# Altium PCB H204_without WiFi.PcbDoc (part 1 of 3) (continued)
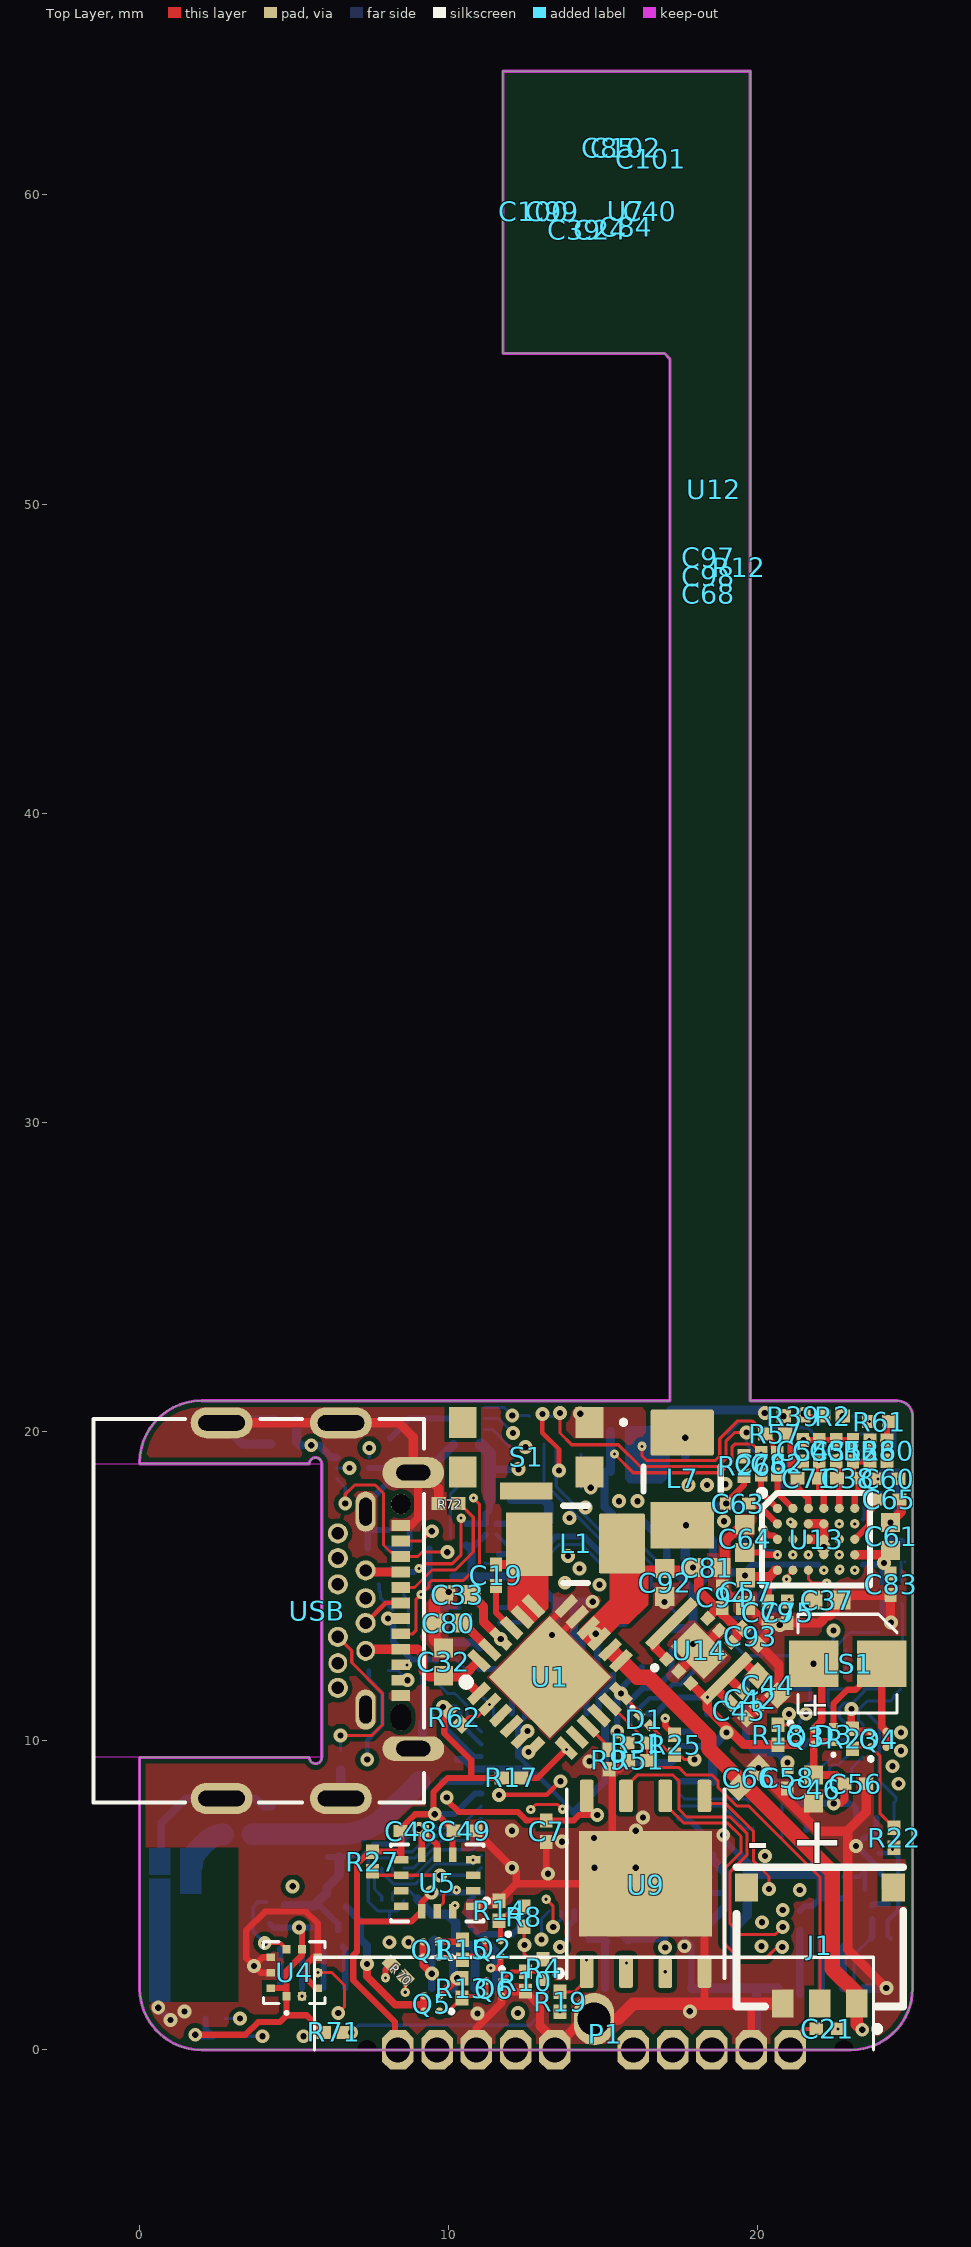
[diagram p0: Top Layer view]
## Part data (continued)
C20: library part C0201-0.7p, "Multilayer Ceramic Capacitors MLCC - SMD/SMT 0201 0.7pF 25volts C0G +/-0.1pF", Case/Package=0201, Case Code (Metric)=0603, Dielectric=C0G, Manufacturer=Murata, Manufacturer Part Number=GRM0335C1ER70BA01D, Max Operating Temperature=125°C, Min Operating Temperature=-55°C, Package Quantity=15000, Supplier Part Number 1=490-11307-1-ND, Voltage Rating=25V, Capacitance=0.7pF, Case Code (Imperial)=0201, Category="Ceramic Capacitors", Component Class=Capacitors, ComponentLink1Description=https://datasheet.ciiva.com/29538/partnumbering-e-01-29538603.pdf?src-supplier=Digi-Key, ComponentLink1URL=https://datasheet.ciiva.com/29538/partnumbering-e-01-29538603.pdf?src-supplier=Digi-Key, Footprint Doc=0201, Height=0.3mm, Length=0.024inch, Mount="Surface Mount", Packaging="Tape and Reel", Pad Count=2, Part Number=C0201-0.7p, Pricing 1="1=0,10000, 10=0,02000, 50=0,01100, 100=0,00900, 500=0,00644, 1000=0,00506, 2500=0,00460, 5000=0,00423 (USD)", RoHS=Yes, RoHS Compliant=Yes, Series=GRM, Stock 1=47212, Supplier 1=Digi-Key, Termination=SMD/SMT, Thickness=0.013inch, Voltage Rating (DC)=25V, Width=0.012inch
C24 C37 C39 C40 C45 C57 C61 C67 C80 C81 C86 C87 C92 C106: library part C0603-4µ7, "CAP CER 10UF 10V X5R 0402", Case/Package=0402, Case Code (Metric)=1005, Manufacturer=Samsung, Manufacturer Part Number=CL05A106MP8NUB8, Max Operating Temperature=85°C, Min Operating Temperature=-55°C, Supplier Part Number 1=1276-6830-2-ND, Tolerance=20%, Voltage Rating=10V, Capacitance=10uF, Case Code (Imperial)=0402, Category="Ceramic Capacitors", ComponentLink1Description=http://www.samsungsem.com/kr/support/product-search/mlcc/CL05A106MP8NUB8.jsp?src-supplier=Digi-Key, ComponentLink1URL=http://www.samsungsem.com/kr/support/product-search/mlcc/CL05A106MP8NUB8.jsp?src-supplier=Digi-Key, Length=0.039inch, Mount="Surface Mount", Packaging="Tape and Reel", Pricing 1="8000=0,08247 (USD)", RoHS=Yes, RoHS Compliant=Yes, Stock 1=5635891, Supplier 1=Digi-Key, Thickness=0.035inch, Width=0.02inch
C26: library part C0402-1.5p, "Capacitor, NP0, ±0.1pF"
C32 C44 C46 C66: library part C0603-4µ7, "CAP CER 22UF 6.3V X5R 0402", Case/Package=0402, Case Code (Metric)=1005, Manufacturer=Samsung, Manufacturer Part Number=CL05A226MQ5QUNC, Max Operating Temperature=85°C, Min Operating Temperature=-55°C, Supplier Part Number 1=1276-6834-1-ND, Tolerance=20%, Voltage Rating=6.3V, Capacitance=22uF, Case Code (Imperial)=0402, Category="Ceramic Capacitors", ComponentLink1Description=http://www.samsungsem.com/kr/support/product-search/mlcc/__icsFiles/afieldfile/2018/08/20/Data%20sheet_CL05A226MQ5QUNC.pdf?src-supplier=Digi-Key, ComponentLink1URL=http://www.samsungsem.com/kr/support/product-search/mlcc/__icsFiles/afieldfile/2018/08/20/Data%20sheet_CL05A226MQ5QUNC.pdf?src-supplier=Digi-Key, Length=0.039inch, Mount="Surface Mount", Packaging="Tape and Reel", Pricing 1="1=0,60000, 10=0,42200, 50=0,31940, 100=0,27820, 500=0,20608, 1000=0,17517, 2500=0,16486, 5000=0,15456 (USD)", RoHS=Yes, RoHS Compliant=Yes, Stock 1=587155, Supplier 1=Digi-Key, Thickness=0.022inch, Width=0.02inch
C34 C42 C65 C93 C95 C97 C99 C101: library part C0402-100n, "Cap Ceramic 0.001uF 25V X7R 10% SMD 0201 125C Paper T/R", Case/Package=0201, Case Code (Metric)=0603, Dielectric=X7R, Manufacturer=Samsung, Manufacturer Part Number=CL03B102KA3NNNC, Max Operating Temperature=125°C, Min Operating Temperature=-55°C, Package Quantity=1, Supplier Part Number 1=1276-1341-1-ND, Tolerance=10%, Voltage Rating=25V, Capacitance=1nF, Case Code (Imperial)=0201, Category="Ceramic Capacitors", ComponentLink1Description=https://datasheet.ciiva.com/25788/cl03b102ka3nnnc-25788656.pdf?src-supplier=Digi-Key, ComponentLink1URL=https://datasheet.ciiva.com/25788/cl03b102ka3nnnc-25788656.pdf?src-supplier=Digi-Key, ComponentLink2Description=https://datasheet.ciiva.com/26838/getdatasheetpartid-355161-26838110.pdf?src-supplier=Verical, ComponentLink2URL=https://datasheet.ciiva.com/26838/getdatasheetpartid-355161-26838110.pdf?src-supplier=Verical, Construction=Flat, Contact Plating=Tin, Depth=0.3mm, Height=0.3mm, Length=0.6mm, Mount="Surface Mount", Packaging="Tape and Reel", Pricing 1="1=0,13000, 10=0,08900, 50=0,05080, 100=0,04200, 500=0,02946, 1000=0,02439, 2500=0,02270, 5000=0,02077 (USD)", Radiation Hardening=No, RoHS=Yes, RoHS Compliant=Yes, Series=CL, Stock 1=1034478, Supplier 1=Digi-Key, Thickness=0.013inch, Width=0.012inch
C38 C71: library part C0402-100n, "Cap Ceramic Monolithic 47pF 50VDC 1% SMD Paper T/R", Manufacturer=Murata, Manufacturer Part Number=GRM0335C1H470FA01D, Supplier Part Number 1=490-GRM0335C1H470FA01DCT-ND, Category="Ceramic Capacitors", Pricing 1="1=0,10000, 10=0,02200, 50=0,01180, 100=0,00960, 500=0,00688, 1000=0,00541, 2500=0,00492, 5000=0,00452 (USD)", RoHS=Yes, RoHS Compliant=Yes, Stock 1=73266, Supplier 1=Digi-Key
C43 C74 C94 C96 C98 C100 C102: library part C0402-100n, "CAP CER 100PF 50V C0G 0201", Case/Package=0201, Case Code (Metric)=0603, Dielectric=C0G, Dielectric Material=Ceramic, Insulation Resistance=10GR, Manufacturer=TDK, Manufacturer Part Number=C0603C0G1H101J030BA, Max Operating Temperature=125°C, Min Operating Temperature=-55°C, Package Quantity=1, Supplier Part Number 1=445-1786-1-ND, Tolerance=5%, VOLTAGE=50V, Capacitance=100pF, Case Code (Imperial)=0201, Category="Ceramic Capacitors", ComponentLink1Description=https://datasheet.ciiva.com/24217/c0603c0g1h101j030ba-264106-24217425.pdf?src-supplier=Mouser, ComponentLink1URL=https://datasheet.ciiva.com/24217/c0603c0g1h101j030ba-264106-24217425.pdf?src-supplier=Mouser, ComponentLink2Description=https://datasheet.ciiva.com/16205/mlcc-commercial-general-en-16205590.pdf?src-supplier=Future+Electronics, ComponentLink2URL=https://datasheet.ciiva.com/16205/mlcc-commercial-general-en-16205590.pdf?src-supplier=Future+Electronics, ComponentLink3Description=https://datasheet.ciiva.com/6250/tdkmlcccaprange-6250351.pdf?src-supplier=Digi-Key, ComponentLink3URL=https://datasheet.ciiva.com/6250/tdkmlcccaprange-6250351.pdf?src-supplier=Digi-Key, Construction=Flat, Depth=0.3mm, Height=0.3mm, Lead Free="Lead Free", Length=0.6mm, Mount="Surface Mount", Number of Pins=2, Packaging="Tape and Reel", Pricing 1="1=0,10000, 10=0,06800, 50=0,03720, 100=0,03040, 500=0,02174, 1000=0,01708, 2500=0,01552, 5000=0,01428 (USD)", REACH SVHC=Unknown, RoHS=Yes, RoHS Compliant=Yes, Series=C, Stock 1=312493, Supplier 1=Digi-Key, Termination=SMD/SMT, Thickness=0.013inch, Voltage Rating=50V, Voltage Rating (DC)=50V, Weight=6E-06oz, Width=0.012inch
C51 C52 C53 C54: library part C0402-100n, "MURATA - GRM0335C1H100JA01D - SMD Multilayer Ceramic Capacitor, 10 pF, 50 V, 0201 [0603 Metric], ± 5%, C0G / NP0, GRM Series", Case/Package=0201, Case Code (Metric)=0603, Dielectric=C0G, Manufacturer=Murata, Manufacturer Part Number=GRM0335C1H100JA01D, Max Operating Temperature=125°C, Min Operating Temperature=-55°C, Package Quantity=15000, Supplier Part Number 1=490-6112-1-ND, Tolerance=5%, VOLTAGE=50V, Capacitance=10pF, Case Code (Imperial)=0201, Category="Ceramic Capacitors", ComponentLink1Description=https://datasheet.ciiva.com/6271/partnumbering-e-01-6271173.pdf?src-supplier=Digi-Key, ComponentLink1URL=https://datasheet.ciiva.com/6271/partnumbering-e-01-6271173.pdf?src-supplier=Digi-Key, ComponentLink2Description=https://datasheet.ciiva.com/6271/partnumbering-e-01-6271176.pdf?src-supplier=Digi-Key, ComponentLink2URL=https://datasheet.ciiva.com/6271/partnumbering-e-01-6271176.pdf?src-supplier=Digi-Key, ComponentLink3Description=https://datasheet.ciiva.com/6271/partnumbering-e-01-6271177.pdf?src-supplier=Digi-Key, ComponentLink3URL=https://datasheet.ciiva.com/6271/partnumbering-e-01-6271177.pdf?src-supplier=Digi-Key, Depth=0.3mm, Height=0.3mm, Lead Free="Lead Free", Length=0.6mm, Mount="Surface Mount", Packaging="Tape and Reel", Pricing 1="1=0,10000, 10=0,01100, 50=0,00620, 100=0,00510, 500=0,00362, 1000=0,00285, 2500=0,00259, 5000=0,00238 (USD)", REACH SVHC="No SVHC", RoHS=Yes, RoHS Compliant=Yes, Series=GRM, Stock 1=536566, Supplier 1=Digi-Key, Termination=SMD/SMT, Thickness=0.013inch, Voltage Rating=50V, Voltage Rating (DC)=50V, Width=0.3mm
C64: library part C0603-4µ7, "Cap Ceramic Monolithic 15uF 6.3VDC 20% SMD Paper T/R", Manufacturer=Murata, Manufacturer Part Number=GRM155R60J156ME05D, Supplier Part Number 1=490-18659-1-ND, Category="Ceramic Capacitors", Pricing 1="1=0,28000, 10=0,19500, 50=0,13020, 100=0,11070, 500=0,07810, 1000=0,06834, 2500=0,06509, 5000=0,06021 (USD)", RoHS=Yes, RoHS Compliant=Yes, Stock 1=130616, Supplier 1=Digi-Key
C72 C73: library part C0603-1µ0, "Cap Ceramic 1uF 16V X5R 20% Pad SMD 0201 85C T/R", Case/Package=0201, Case Code (Metric)=0603, Manufacturer=Samsung, Manufacturer Part Number=CL03A105MO3NRNH, Max Operating Temperature=85°C, Min Operating Temperature=-55°C, Supplier Part Number 1=1276-6798-1-ND, Tolerance=20%, Voltage Rating=16V, Capacitance=1uF, Case Code (Imperial)=0201, Category="Ceramic Capacitors", ComponentLink1Description=http://www.samsungsem.com/kr/support/product-search/mlcc/CL03A105MO3NRNH.jsp?src-supplier=Digi-Key, ComponentLink1URL=http://www.samsungsem.com/kr/support/product-search/mlcc/CL03A105MO3NRNH.jsp?src-supplier=Digi-Key, Length=0.024inch, Mount="Surface Mount", Packaging="Tape and Reel", Pricing 1="1=0,28000, 10=0,19300, 50=0,11600, 100=0,09790, 500=0,06698, 1000=0,05925, 2500=0,05667, 5000=0,05152 (USD)", RoHS=Yes, RoHS Compliant=Yes, Stock 1=1363872, Supplier 1=Digi-Key, Thickness=0.013inch, Width=0.012inch
C78: library part C0201-N.C., "Not mounted"
D1 D3: library part Schottky, "ON SEMICONDUCTOR - NSR01L30NXT5G - Small Signal Schottky Diode, Single, 30 V, 100 mA, 530 mV, 4 A, 150 °C", Average Rectified Current=100mA, Case/Package=0201, Forward Voltage=530mV, Manufacturer="ON Semiconductor", Max Forward Surge Current (Ifsm)=4A, Max Operating Temperature=150°C, Max Repetitive Reverse Voltage (Vrrm)=30V, Max Reverse Current=3uA, Package Quantity=5000, Supplier Part Number 1=NSR01L30NXT5GOSCT-ND, Category="Schottky Diodes", ComponentLink1Description=https://datasheet.ciiva.com/4714/nsr01l30-d-118977-4714835.pdf?src-supplier=Mouser, ComponentLink1URL=https://datasheet.ciiva.com/4714/nsr01l30-d-118977-4714835.pdf?src-supplier=Mouser, ComponentLink2Description=https://datasheet.ciiva.com/22659/nsr01l30-d-22659110.pdf?src-supplier=Element14, ComponentLink2URL=https://datasheet.ciiva.com/22659/nsr01l30-d-22659110.pdf?src-supplier=Element14, ComponentLink3Description=https://datasheet.ciiva.com/8293/nsr01l30-d-8293831.pdf?src-supplier=Avnet, ComponentLink3URL=https://datasheet.ciiva.com/8293/nsr01l30-d-8293831.pdf?src-supplier=Avnet, ComponentLink4Description=https://datasheet.ciiva.com/6381/nsr01l30-d-6381900.pdf?src-supplier=Digi-Key, ComponentLink4URL=https://datasheet.ciiva.com/6381/nsr01l30-d-6381900.pdf?src-supplier=Digi-Key, Element Configuration=Single, Forward Current=100mA, Lead Free="Lead Free", Manufacturer Part Number=NSR01L30NXT5G, Max Reverse Voltage (DC)=30V, Number of Pins=2, Packaging="Tape and Reel", Peak Non-Repetitive Surge Current=4A, Pricing 1="1=0,43000, 10=0,32300, 100=0,20140, 500=0,13780, 1000=0,10600, 2000=0,09540 (USD)", Radiation Hardening=No, REACH SVHC="No SVHC", RoHS=Yes, RoHS Compliant=Yes, Series=-, Stock 1=38186, Supplier 1=Digi-Key
DS1: library part OLED, "Header, 20-Pin"
FL1: "ON SEMICONDUCTOR - EMI2121MTTAG - Common Mode Filter, USB 2.0, WDFN-8", Capacitance=1.3pF, Current=100mA, DC Resistance (DCR)=8R, Manufacturer="ON Semiconductor", Max Operating Temperature=85°C, Min Operating Temperature=-40°C, Package Quantity=1, Supplier Part Number 1=EMI2121MTTAGOSCT-ND, Voltage Rating=9V, Assembly=Rechargeable, Category="Common Mode Chokes", ComponentLink1Description=https://datasheet.ciiva.com/6214/emi2121mt-d-6214625.pdf?src-supplier=Digi-Key, ComponentLink1URL=https://datasheet.ciiva.com/6214/emi2121mt-d-6214625.pdf?src-supplier=Digi-Key, ComponentLink2Description=https://datasheet.ciiva.com/12394/emi2121mt-d-72518-12394918.pdf?src-supplier=Mouser, ComponentLink2URL=https://datasheet.ciiva.com/12394/emi2121mt-d-72518-12394918.pdf?src-supplier=Mouser, ComponentLink3Description=https://datasheet.ciiva.com/3067/emi2121mt-d-3067884.pdf?src-supplier=Avnet, ComponentLink3URL=https://datasheet.ciiva.com/3067/emi2121mt-d-3067884.pdf?src-supplier=Avnet, ComponentLink4Description=https://datasheet.ciiva.com/6214/emi2121mt-d-6214619.pdf?src-supplier=Digi-Key, ComponentLink4URL=https://datasheet.ciiva.com/6214/emi2121mt-d-6214619.pdf?src-supplier=Digi-Key, ComponentLink5Description=https://datasheet.ciiva.com/15162/getdatasheetpartid-686641-15162525.pdf?src-supplier=Verical, ComponentLink5URL=https://datasheet.ciiva.com/15162/getdatasheetpartid-686641-15162525.pdf?src-supplier=Verical, ComponentLink6Description=https://datasheet.ciiva.com/16437/emi2121mt-d-16437709.pdf?src-supplier=Future+Electronics, ComponentLink6URL=https://datasheet.ciiva.com/16437/emi2121mt-d-16437709.pdf?src-supplier=Future+Electronics, ComponentLink7Description=https://datasheet.ciiva.com/6214/emi2121mt-d-6214622.pdf?src-supplier=Digi-Key, ComponentLink7URL=https://datasheet.ciiva.com/6214/emi2121mt-d-6214622.pdf?src-supplier=Digi-Key, Current Rating=100mA, DC Resistance-Max=8R, Depth=2mm, Direction=Bidirectional, ESD Protection=Yes, Halogen Free="Halogen Free", Height=0.031inch, Lead Free="Lead Free", Length=2.2mm, Manufacturer Part Number=EMI2121MTTAG, Max Current Rating=100mA, Max DC Current=100mA, Number of Lines=3, Number of Pins=8, Packaging="Tape and Reel", Pricing 1="1=1,01000, 10=0,89900, 25=0,85320, 100=0,70090, 250=0,65520, 500=0,57902, 1000=0,50312 (USD)", REACH SVHC="No SVHC", RoHS=Yes, RoHS Compliant=Yes, Series=-, Stock 1=14076, Supplier 1=Digi-Key, Termination=Flat, Width=0.079inch
J1: "Conn Wire to Board HDR 3 POS 1.2mm Solder ST SMD Embossed T/R", Contact Resistance=20mR, Current Rating=1.5A, Housing Color=Black, Manufacturer=Molex, Max Operating Temperature=85°C, Max Voltage Rating (AC)=50V, Max Voltage Rating (DC)=5.05kV, Min Operating Temperature=-25°C, Mouser Part Number=538-78171-0003, Package Quantity=4500, Supplier Part Number 1=WM5409CT-ND, Category="Headers and Wire Housings", ComponentLink1Description=https://datasheet.ciiva.com/22680/1701259-22680435.pdf?src-supplier=Element14, ComponentLink1URL=https://datasheet.ciiva.com/22680/1701259-22680435.pdf?src-supplier=Element14, ComponentLink2Description=https://datasheet.ciiva.com/5152/0781710003-pcb-headers-152538-5152745.pdf?src-supplier=Mouser, ComponentLink2URL=https://datasheet.ciiva.com/5152/0781710003-pcb-headers-152538-5152745.pdf?src-supplier=Mouser, ComponentLink3Description=https://datasheet.ciiva.com/11746/0900766b80dca492-11746471.pdf?src-supplier=RSComponents, ComponentLink3URL=https://datasheet.ciiva.com/11746/0900766b80dca492-11746471.pdf?src-supplier=RSComponents, ComponentLink4Description=https://datasheet.ciiva.com/16108/16720781710003-pcb-headers-16108033.pdf?src-supplier=Onlinecomponents.com, ComponentLink4URL=https://datasheet.ciiva.com/16108/16720781710003-pcb-headers-16108033.pdf?src-supplier=Onlinecomponents.com, ComponentLink5Description=https://datasheet.ciiva.com/30073/92470781710003-pcb-headers-30073464.pdf?src-supplier=Onlinecomponents.com, ComponentLink5URL=https://datasheet.ciiva.com/30073/92470781710003-pcb-headers-30073464.pdf?src-supplier=Onlinecomponents.com, ComponentLink6Description=https://datasheet.ciiva.com/10088/0781710003-pcb-headers-10088254.pdf?src-supplier=Avnet, ComponentLink6URL=https://datasheet.ciiva.com/10088/0781710003-pcb-headers-10088254.pdf?src-supplier=Avnet, ComponentLink7Description=https://datasheet.ciiva.com/16737/0781710003-pcb-headers-16737007.pdf?src-supplier=Avnet+Europe, ComponentLink7URL=https://datasheet.ciiva.com/16737/0781710003-pcb-headers-16737007.pdf?src-supplier=Avnet+Europe, Contact Gender=Male, Contact Material="Copper Alloy,Copper", Contact Plating=Gold, Datasheet Link=http://docs-emea.rs-online.com/webdocs/150e/0900766b8150e2fd.pdf, Depth=4.5mm, Gender=Male, Glow Wire Compliant=Non-compliant, Halogen Free="Low Halogen", Housing Material=Polymer, Length=5.4mm, Manufacturer_Name=Molex, Manufacturer_Part_Number=78171-0003, Manufacturer Part Number=78171-0003, Mount="Surface Mount", Mouser Price/Stock=https://www.mouser.co.uk/ProductDetail/Molex/78171-0003?qs=rg3U%2F5nEhHfwDfjly946YA%3D%3D, Number of Circuits=3, Number of Contacts=3, Number of Positions=3, Number of Rows=1, Orientation=Vertical, Packaging="Tape and Reel", Pitch=1.2mm, Pricing 1="1=0,40000, 10=0,32100, 100=0,23540, 1000=0,18724 (USD)", Radiation Hardening=No, REACH SVHC=Unknown, RoHS=Yes, RoHS Compliant=Yes, Series=Pico-Ezmate, Supplier 1=Digi-Key, Termination=Solder, Voltage Rating=50V, Voltage Rating (AC)=50V
L1: library part Inductor, "Inductor Power Chip Wirewound 1uH 20% 100KHz Ferrite 1.44A 71.5mOhm DCR 1210 T/R", Case/Package=1210, Case Code (Metric)=3225, Current Rating=1.13A, DC Resistance (DCR)=104mR, Inductance=2.2uH, Inductance Tolerance=20%, Inductor Type=POWER, Manufacturer="Taiyo Yuden", Manufacturer Part Number=CBC3225T2R2MR, Max Operating Temperature=105°C, Min Operating Temperature=-40°C, Package Quantity=1000, Resistance=0.055R, Resistor Type=Wirewound, Saturation Current=2A, Self Resonant Frequency=190MHz, Supplier Part Number 1=587-1623-1-ND, Test Frequency=100kHz, Case Code (Imperial)=1210, Category="Fixed Inductors", ComponentLink1Description=https://datasheet.ciiva.com/6701/cbc3225t2r2mr-ss-6701089.pdf?src-supplier=Digi-Key, ComponentLink1URL=https://datasheet.ciiva.com/6701/cbc3225t2r2mr-ss-6701089.pdf?src-supplier=Digi-Key, ComponentLink2Description=https://datasheet.ciiva.com/15981/1309cbc3225t2r2mr-15981708.pdf?src-supplier=Onlinecomponents.com, ComponentLink2URL=https://datasheet.ciiva.com/15981/1309cbc3225t2r2mr-15981708.pdf?src-supplier=Onlinecomponents.com, ComponentLink3Description=https://datasheet.ciiva.com/8505/cbc3225t2r2mr-ss-8505613.pdf?src-supplier=Avnet, ComponentLink3URL=https://datasheet.ciiva.com/8505/cbc3225t2r2mr-ss-8505613.pdf?src-supplier=Avnet, ComponentLink4Description=https://datasheet.ciiva.com/8505/cbc3225t1r0mr-ss-8505606.pdf?src-supplier=Avnet, ComponentLink4URL=https://datasheet.ciiva.com/8505/cbc3225t1r0mr-ss-8505606.pdf?src-supplier=Avnet, ComponentLink5Description=https://datasheet.ciiva.com/1040/cbc3225t1r0mr-ss-1040872.pdf?src-supplier=Digi-Key, ComponentLink5URL=https://datasheet.ciiva.com/1040/cbc3225t1r0mr-ss-1040872.pdf?src-supplier=Digi-Key, Core Material=Ferrite, Halogen Free="Halogen Free", Height=2.5mm, Height - Seated (Max)=0.106inch, Lead Free="Lead Free", Length=0.126inch, Max DC Current=1.13A, Mount="Surface Mount", Number of Pins=2, Packaging="Tape and Reel", Pricing 1="1=0,30000, 10=0,26800, 25=0,23480, 50=0,20120, 100=0,18450, 250=0,16776, 500=0,15768 (USD)", Pricing 2="1=0,30000, 10=0,26800, 25=0,23480, 50=0,20120, 100=0,18450, 250=0,16776, 500=0,15768 (USD)", REACH SVHC=Unknown, RoHS=Yes, RoHS Compliant=Yes, Series=CB, Shielding=Unshielded, Stock 1=14109, Stock 2=19038, Supplier 1=Digi-Key, Supplier 2=Digi-Key, Supplier Part Number 2=587-1622-1-ND, Termination=SMD/SMT, Tolerance=20%, Width=0.098inch
L2 L5: library part L0603-10µ, "FIXED IND 10UH 380MA 468 MOHM", Case/Package=0603, DC Current=380mA, DC Resistance (DCR)=468mR, Inductance=10uH, Manufacturer="Taiyo Yuden", Manufacturer Part Number=CBMF1608T100M, Max DC Current=115mA, Max Operating Temperature=105°C, Min Operating Temperature=-40°C, Self Resonant Frequency=32MHz, Supplier Part Number 1=587-5830-1-ND, Test Frequency=2.52MHz, Tolerance=20%, Category="Fixed Inductors", Component Class=Inductors, ComponentLink1Description=https://datasheet.ciiva.com/25607/0900766b810b3b0a-25607920.pdf?src-supplier=RSComponents, ComponentLink1URL=https://datasheet.ciiva.com/25607/0900766b810b3b0a-25607920.pdf?src-supplier=RSComponents, ComponentLink2Description=https://datasheet.ciiva.com/26871/getdatasheetpartid-638767-26871193.pdf?src-supplier=Verical, ComponentLink2URL=https://datasheet.ciiva.com/26871/getdatasheetpartid-638767-26871193.pdf?src-supplier=Verical, Core Material=Ferrite, Depth=1mm, Footprint Doc=0603, Halogen Free="Halogen Free", Height=0.8mm, Lead Free="Lead Free", Length=1.8mm, Military Standard=Not, Packaging="Tape and Reel", Pad Count=2, Part Number=L0603-10µ, Pricing 1="1=0,26000, 10=0,22900, 25=0,20000, 50=0,17160, 100=0,15730, 250=0,14300, 500=0,13442, 1000=0,10296 (USD)", Radiation Hardening=No, RoHS=Yes, RoHS Compliant=Yes, Stock 1=26531, Supplier 1=Digi-Key
L3: library part L0402-3n3, "Inductor, 190mA, ±0.1nH"
L4: library part L0402-3n3, "Fixed Resistor, Metal Glaze/thick Film, 0.05W, 0ohm, Surface Mount, 0201", Case/Package=0201, Case Code (Metric)=0603, Manufacturer=Yageo, Manufacturer Part Number=AF0201JR-070RL, Max Operating Temperature=125°C, Max Power Dissipation=50mW, Min Operating Temperature=-55°C, Package Quantity=10000, Resistance=0mR, Resistor Type="Thick Film", Supplier Part Number 1=13-AF0201JR-070RLCT-ND, Case Code (Imperial)=0201, Category="Chip SMD Resistors", ComponentLink1Description=http://www.mouser.com/ds/2/447/PYu-AF_51_RoHS_L_5-1085711.pdf?src-supplier=Mouser, ComponentLink1URL=http://www.mouser.com/ds/2/447/PYu-AF_51_RoHS_L_5-1085711.pdf?src-supplier=Mouser, ComponentLink2Description=http://www.yageo.com/documents/recent/PYu-AF_51_RoHS_L_5.pdf?src-supplier=Digi-Key, ComponentLink2URL=http://www.yageo.com/documents/recent/PYu-AF_51_RoHS_L_5.pdf?src-supplier=Digi-Key, Features="Moisture Resistant,Anti-Sulfur", Height=0.01inch, Length=0.024inch, Number of Terminations=2, Packaging="Tape and Reel", Pricing 1="1=0,11000, 10=0,09500, 25=0,06560, 50=0,05100, 100=0,03640, 250=0,02840, 500=0,02256, 1000=0,01602, 5000=0,01238 (USD)", RoHS=Yes, RoHS Compliant=Yes, Stock 1=9, Supplier 1=Digi-Key, Termination=SMD/SMT, Weight=6E-06oz, Width=0.012inch
L6: library part L0201-2n2, "FIXED IND 2.2NH 600MA 150 MOHM", Case/Package=0201, Case Code (Metric)=0603, Current=400mA, Current Rating=600mA, DC Resistance (DCR)=150mR, Manufacturer=Murata, Manufacturer Part Number=LQP03TN2N2B02D, Max Operating Temperature=125°C, Min Operating Temperature=-55°C, Package Quantity=1, Resistor Type="Thin Film", Self Resonant Frequency=11GHz, Supplier Part Number 1=490-6723-1-ND, Test Frequency=500MHz, Case Code (Imperial)=0201, Category="Fixed Inductors", Component Class=Inductors, ComponentLink1Description=https://datasheet.ciiva.com/4975/product-4975942.pdf?src-supplier=Mouser, ComponentLink1URL=https://datasheet.ciiva.com/4975/product-4975942.pdf?src-supplier=Mouser, Core Material=Non-Magnetic, DC Current=600mA, Depth=0.33mm, Footprint Doc=0201, Height=0.3mm, Height - Seated (Max)=0.013inch, Inductance=2.2nH, Lead Free="Lead Free", Length=0.6mm, Max DC Current=600mA, Military Standard=Not, Mount="Surface Mount", Packaging="Tape and Reel", Pad Count=2, Part Number=L0201-2n2, Pricing 1="1=0,10000, 10=0,04700, 25=0,04240, 50=0,03780, 100=0,03210, 250=0,02836, 500=0,02598, 1000=0,02221, 2500=0,01984 (USD)", Q Factor=14, Radiation Hardening=No, REACH SVHC="No SVHC", RoHS=Yes, RoHS Compliant=Yes, Series=LQP, Shielding=Unshielded, Stock 1=114542, Supplier 1=Digi-Key, Technology="THIN FILM", Termination=SMD/SMT, Width=0.012inch
L7: library part Inductor, "Ind Power Chip Wirewound 2.2uH 20% 100KHz Ferrite 1.13A 1210 T/R", Case/Package=1210, Case Code (Metric)=3225, Current Rating=1.13A, DC Resistance (DCR)=104mR, Inductance=2.2uH, Inductance Tolerance=20%, Manufacturer="Taiyo Yuden", Manufacturer Part Number=CBC3225T2R2MR, Max Operating Temperature=105°C, Min Operating Temperature=-40°C, Package Quantity=1000, Resistor Type=Wirewound, Saturation Current=2A, Self Resonant Frequency=190MHz, Supplier Part Number 1=587-1623-1-ND, Test Frequency=100kHz, Case Code (Imperial)=1210, Category="Fixed Inductors", ComponentLink1Description=https://datasheet.ciiva.com/6701/cbc3225t2r2mr-ss-6701089.pdf?src-supplier=Digi-Key, ComponentLink1URL=https://datasheet.ciiva.com/6701/cbc3225t2r2mr-ss-6701089.pdf?src-supplier=Digi-Key, ComponentLink2Description=https://datasheet.ciiva.com/15981/1309cbc3225t2r2mr-15981708.pdf?src-supplier=Onlinecomponents.com, ComponentLink2URL=https://datasheet.ciiva.com/15981/1309cbc3225t2r2mr-15981708.pdf?src-supplier=Onlinecomponents.com, ComponentLink3Description=https://datasheet.ciiva.com/8505/cbc3225t2r2mr-ss-8505613.pdf?src-supplier=Avnet, ComponentLink3URL=https://datasheet.ciiva.com/8505/cbc3225t2r2mr-ss-8505613.pdf?src-supplier=Avnet, Core Material=Ferrite, Halogen Free="Halogen Free", Height=2.5mm, Height - Seated (Max)=0.106inch, Lead Free="Lead Free", Length=0.126inch, Max DC Current=1.13A, Mount="Surface Mount", Number of Pins=2, Packaging="Tape and Reel", Pricing 1="1=0,30000, 10=0,26800, 25=0,23480, 50=0,20120, 100=0,18450, 250=0,16776, 500=0,15768 (USD)", REACH SVHC=Unknown, RoHS=Yes, RoHS Compliant=Yes, Series=CB, Shielding=Unshielded, Stock 1=14109, Supplier 1=Digi-Key, Termination=SMD/SMT, Tolerance=20%, Width=0.098inch
LS1: "Loudspeaker or Buzzer", Manufacturer="PUI Audio", Mouser Part Number=665-SMT-0340-T-R, Supplier Part Number 1=668-SMT-0340-T-RCT-ND, Datasheet Link=http://www.puiaudio.com/pdf/SMT-0340-T-R.pdf, Height=2mm, Manufacturer_Part_Number=SMT-0340-T-R, Manufacturer Part Number=SMT-0340-T-R, Mouser Price/Stock=https://www.mouser.co.uk/ProductDetail/PUI-Audio/SMT-0340-T-R?qs=DPoM0jnrROXLQhGRbnNzhA%3D%3D, Supplier 1=Digi-Key
P1: library part "Header 10", "Header, 10-Pin"
Q1 Q3 Q5 Q7 Q8: library part "Transistor P-channel", "-12V, P ch NexFET MOSFET™, single WLP 1.0x1.0, 53mOhm 4-DSBGA", Continuous Drain Current (ID)=2.2A, Drain to Source Breakdown Voltage=-12V, Drain to Source Resistance=44mR, Drain to Source Voltage (Vdss)=12V, Gate to Source Voltage (Vgs)=6V, Input Capacitance=512pF, Manufacturer="Texas Instruments", Max Operating Temperature=150°C, Max Power Dissipation=1W, Min Operating Temperature=-55°C, Package Quantity=3000, Supplier Part Number 1=296-40000-1-ND, Category="Integrated Circuits (ICs)", ComponentLink1Description=http://components.arrow.com/part/dataview/69249902S1040162N7713?src-supplier=Arrow+Electronics, ComponentLink1URL=http://components.arrow.com/part/dataview/69249902S1040162N7713?src-supplier=Arrow+Electronics, ComponentLink2Description=http://www.ti.com/lit/gpn/csd23202w10?src-supplier=Mouser, ComponentLink2URL=http://www.ti.com/lit/gpn/csd23202w10?src-supplier=Mouser, ComponentLink3Description=http://www.ti.com/lit/ds/symlink/csd23202w10.pdf?src-supplier=Digi-Key, ComponentLink3URL=http://www.ti.com/lit/ds/symlink/csd23202w10.pdf?src-supplier=Digi-Key, ComponentLink4Description=http://www.ti.com/general/docs/lit/getliterature.tsp?genericPartNumber=CSD23202W10&&fileType=pdf&src-supplier=Avnet, ComponentLink4URL=http://www.ti.com/general/docs/lit/getliterature.tsp?genericPartNumber=CSD23202W10&&fileType=pdf&src-supplier=Avnet, Element Configuration=Single, Fall Time=21ns, Lead Free="Lead Free", Manufacturer Part Number=CSD23202W10, Mount="Surface Mount", Number of Channels=1, Number of Elements=1, Number of Pins=4, Packaging="Tape and Reel", Power Dissipation=1W, Pricing 1="1=0,43000, 10=0,37100, 100=0,27720, 500=0,21780, 1000=0,16830 (USD)", Rds On Max=53mR, Rise Time=4ns, RoHS=Yes, RoHS Compliant=Yes, Stock 1=87297, Supplier 1=Digi-Key, Turn-Off Delay Time=58ns, Turn-On Delay Time=9ns
Q2 Q4 Q6 Q9 Q10: library part "Transistor N-channel", "12V, N ch NexFET MOSFET™, single WLP 1.0x1.0, 34mOhm 4-DSBGA -55 to 150", Continuous Drain Current (ID)=1.6A, Drain to Source Breakdown Voltage=12V, Drain to Source Resistance=34mR, Gate to Source Voltage (Vgs)=8V, Input Capacitance=462pF, Manufacturer="Texas Instruments", Max Operating Temperature=150°C, Max Power Dissipation=1.2W, Min Operating Temperature=-55°C, Package Quantity=3000, Supplier Part Number 1=296-41412-1-ND, Category=MOSFETs, ComponentLink1Description=https://datasheet.ciiva.com/30021/csd13201w10-30021961.pdf?src-supplier=Avnet, ComponentLink1URL=https://datasheet.ciiva.com/30021/csd13201w10-30021961.pdf?src-supplier=Avnet, Contact Plating=Copper,Tin,Silver, Drain to Source Voltage (Vdss)=12V, Element Configuration=Single, Fall Time=9.7ns, Lead Free="Lead Free", Manufacturer Part Number=CSD13201W10, Mount="Surface Mount", Number of Channels=1, Number of Elements=1, Number of Pins=4, Packaging="Tape and Reel", Power Dissipation=1.2W, Pricing 1="1=0,52000, 10=0,42400, 100=0,28860, 500=0,21648, 1000=0,16236 (USD)", Rds On Max=34mR, Rise Time=5.9ns, RoHS=Yes, RoHS Compliant=Yes, Stock 1=204100, Supplier 1=Digi-Key, Turn-Off Delay Time=14.4ns, Turn-On Delay Time=3.9ns
R1 R2 R4 R8 R22 R39 R57 R58 R63: library part Resistor, "RES SMD 200 OHM 1% 1/20W 0201", Case/Package=0201, Case Code (Metric)=0603, Manufacturer=Yageo, Manufacturer Part Number=RC0201FR-07200RL, Max Operating Temperature=125°C, Max Power Dissipation=50mW, Min Operating Temperature=-55°C, Package Quantity=10000, Resistor Type="Thick Film", Supplier Part Number 1=YAG2495CT-ND, Temperature Coefficient=200ppm/°C, Tolerance=1%, Voltage Rating=25V, Case Code (Imperial)=0201, Category="Chip SMD Resistors", ComponentLink1Description=http://components.arrow.com/part/dataview/0323_03297075?src-supplier=Arrow+Europe, ComponentLink1URL=http://components.arrow.com/part/dataview/0323_03297075?src-supplier=Arrow+Europe, ComponentLink2Description=http://www.mouser.com/ds/2/447/RC0201-559633.pdf?src-supplier=Mouser, ComponentLink2URL=http://www.mouser.com/ds/2/447/RC0201-559633.pdf?src-supplier=Mouser, ComponentLink3Description=http://www.yageo.com/documents/recent/PYu-RC_Group_51_RoHS_L_9.pdf?src-supplier=Digi-Key, ComponentLink3URL=http://www.yageo.com/documents/recent/PYu-RC_Group_51_RoHS_L_9.pdf?src-supplier=Digi-Key, ComponentLink4Description=http://www.yageo.com/documents/recent/PYu-RC_Group_51_RoHS_L_10.pdf?src-supplier=Digi-Key, ComponentLink4URL=http://www.yageo.com/documents/recent/PYu-RC_Group_51_RoHS_L_10.pdf?src-supplier=Digi-Key, ComponentLink5Description=http://www.yageo.com/documents/recent/PYu-RC0201_51_RoHS_L_(8).pdf?src-supplier=Future+Electronics, ComponentLink5URL=http://www.yageo.com/documents/recent/PYu-RC0201_51_RoHS_L_(8).pdf?src-supplier=Future+Electronics, Construction=Rectangular, Depth=0.3mm, Features="Moisture Resistant", Height=0.01inch, Lead Free="Lead Free", Length=0.6mm, Military Standard=Not, Number of Terminations=2, Packaging="Tape and Reel", Power Rating=50mW, Pricing 1="1=0,10000, 10=0,04200, 100=0,01700, 1000=0,00765, 2500=0,00664, 5000=0,00548 (USD)", Resistance=200R, RoHS=Yes, RoHS Compliant=Yes, Series=RC, Size Code=0201, Stock 1=262827, Supplier 1=Digi-Key, Termination=SMD/SMT, Width=0.3mm